# Allegro board 8880F5-0823__zarif.brd (continued)
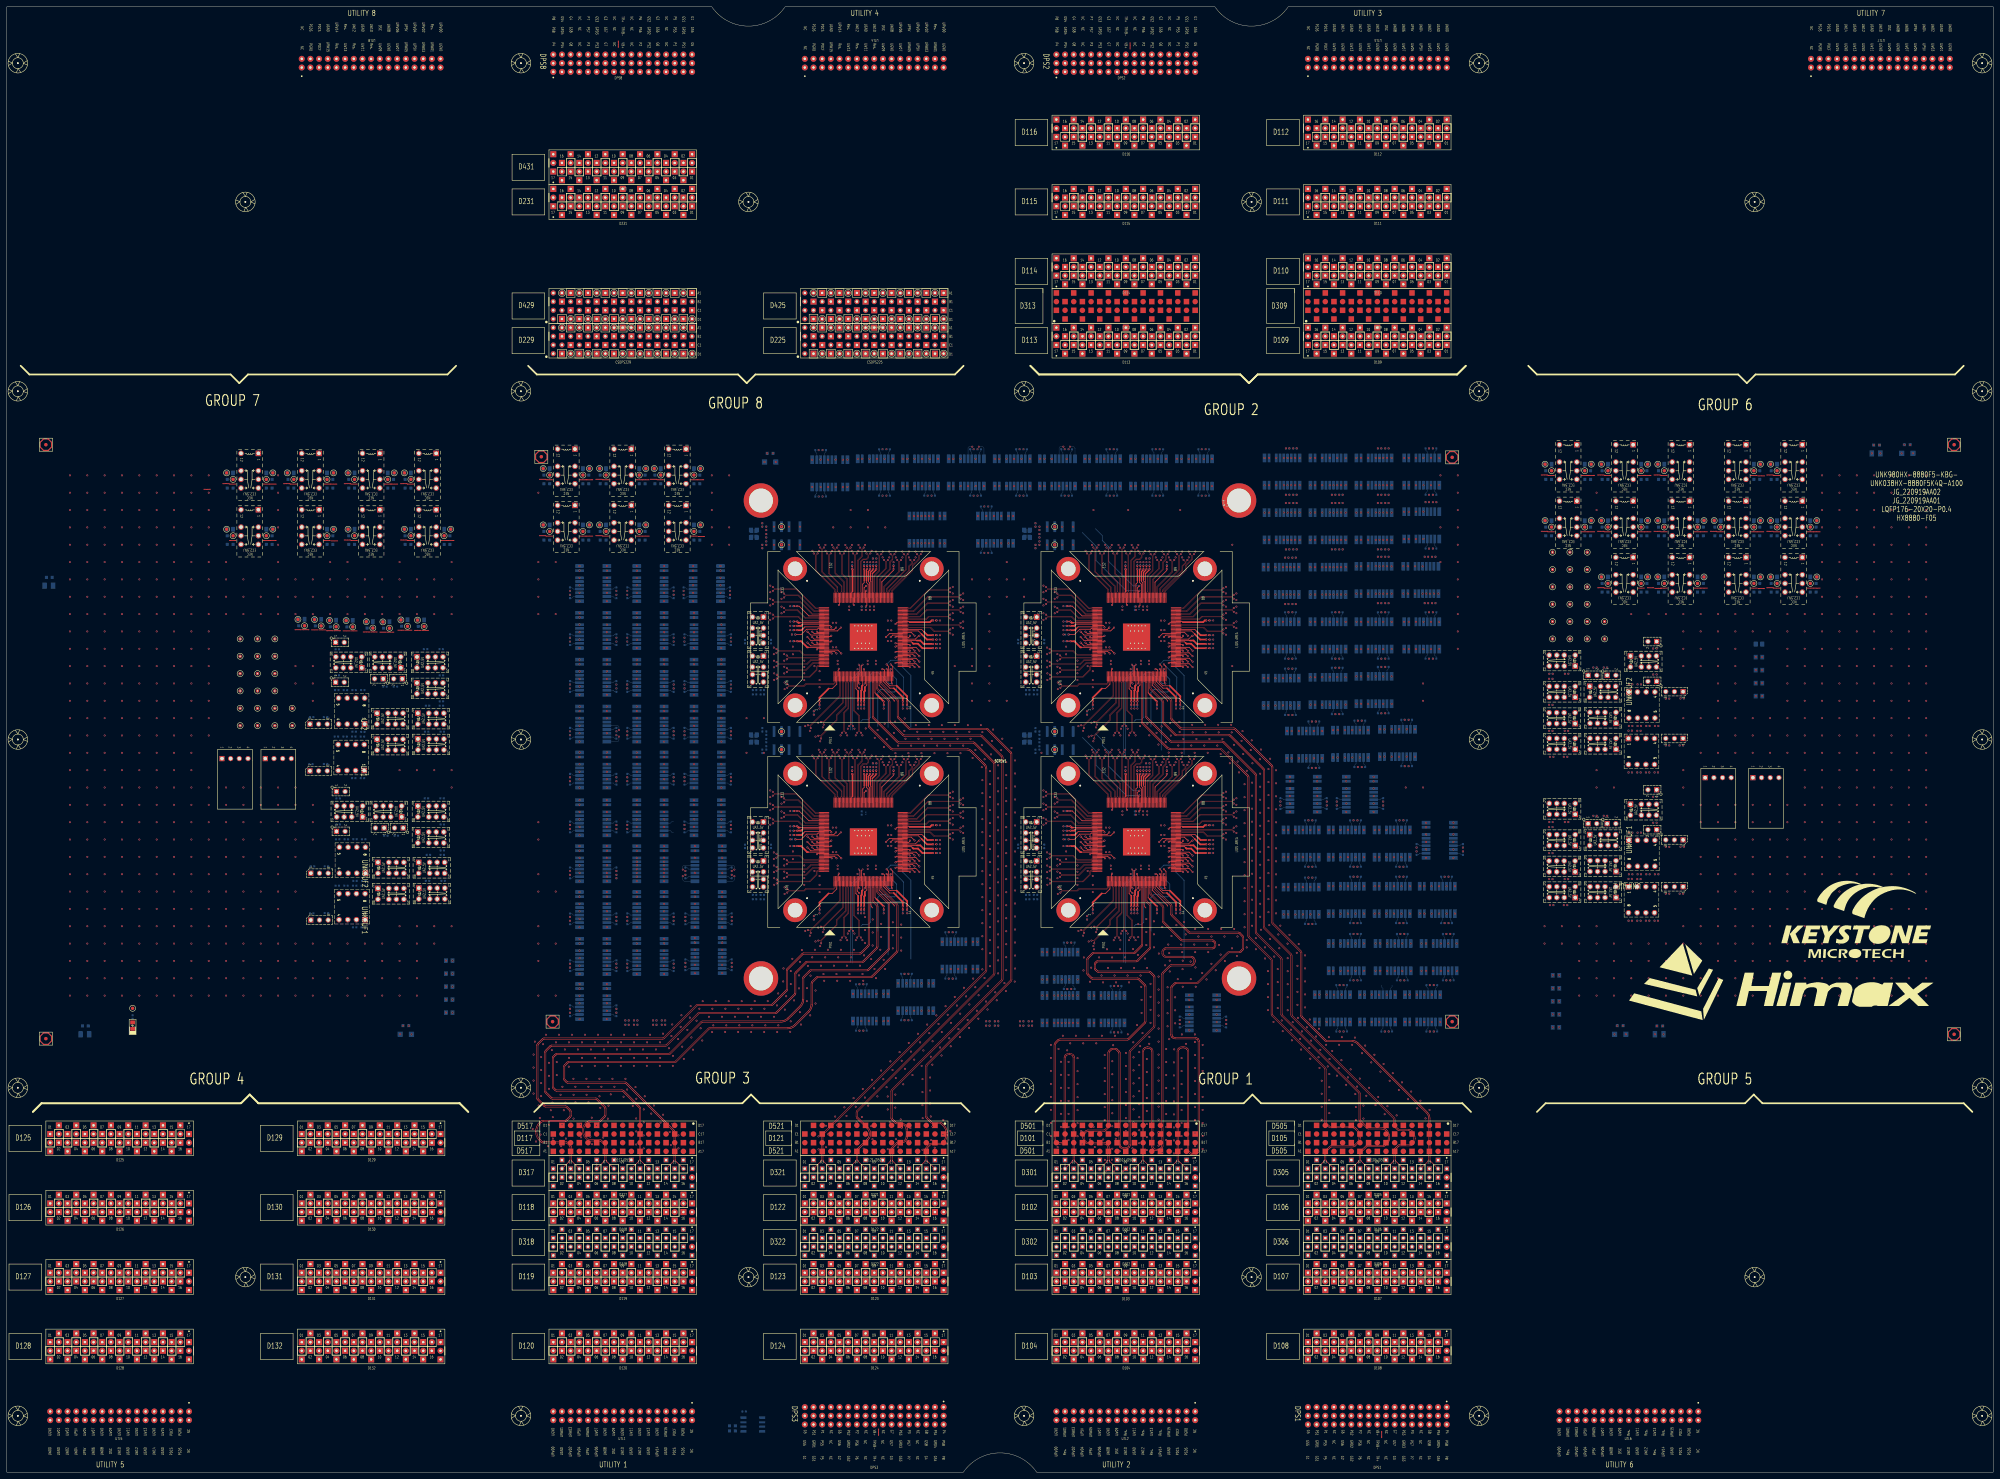
[diagram p0: board, top side]
## Routing (per net, layer and track width the routed paths; a pad name or vN(x,y) marks a point on that pad's centre or on a via; arc(x,y) is an arc through that point) (continued)
  L07_SIGNAL w0.071: 160.31,264.65 223.35,264.65 236.1,277.39 253.2,277.39 257.41,281.61 267.35,281.61 270.31,284.57 270.31,286 270.38,286.07 v2(270.78,286.07)
  L30_SIGNAL w0.071: v2(270.78,286.07) 270.32,286.53 270.32,287.66 269.9,288.08 261.92,288.08 250.26,276.43 250.26,271.34 v1(249.79,270.87)
S1_3TX_100DCH003+: length 236.3
  TOP w0.086: SITE1.116 248.63,257.78 248.55,257.86 248.55,268.77 v1(248.93,269.15)
  L07_SIGNAL w0.071: 159.1,247.05 194.36,247.05 207.85,260.53 226.78,260.53 231.56,255.76 270.7,255.76 275.2,260.25 277.98,260.25 278.86,259.37 282.25,259.37 286.91,264.03 286.91,269.23 286.98,269.3 v2(287.38,269.3)
  L30_SIGNAL w0.071: v2(287.38,269.3) 286.91,268.83 286.91,266.57 286.38,266.04 283.04,266.04 281.66,267.43 281.66,277.43 274.45,284.65 274.45,289.89 273.06,291.27 257.77,291.27 255.67,289.18 255.67,282.79 248.46,275.58 248.46,269.62 v1(248.93,269.15)
S1_3TX_100DCH003-: length 236
  TOP w0.086: SITE1.117 248.23,257.78 248.31,257.86 248.31,268.63 v1(247.79,269.15)
  L07_SIGNAL w0.071: v2(286.24,269.3) 286.64,269.3 286.71,269.23 286.71,264.11 282.17,259.57 278.94,259.57 278.06,260.45 275.11,260.45 270.62,255.96 231.64,255.96 226.87,260.73 207.77,260.73 194.28,247.25 159.1,247.25
  L30_SIGNAL w0.071: v2(286.24,269.3) 286.71,268.83 286.71,266.65 286.3,266.24 283.13,266.24 281.86,267.51 281.86,277.52 274.64,284.73 274.64,289.97 273.14,291.47 257.68,291.47 255.47,289.26 255.47,282.87 248.26,275.66 248.26,269.62 v1(247.79,269.15)
S1_3TX_100DCH004+: length 231.9
  TOP w0.086: v1(247.07,270.87) 246.61,270.41 246.61,262.62 246.95,262.28 246.95,257.86 247.03,257.78 SITE1.120
  L07_SIGNAL w0.071: v2(287.38,282.89) 286.98,282.89 286.91,282.96 286.91,302.23 281.38,307.76 158.71,307.76
  L30_SIGNAL w0.071: v2(287.38,282.89) 286.91,282.42 286.91,281.8 286.26,281.15 282.47,281.15 280.31,283.31 280.31,290.31 277.98,292.64 257.05,292.64 253.78,289.37 253.78,282.32 246.6,275.14 246.6,271.34 v1(247.07,270.87)
S1_3TX_100DCH004-: length 231.6
  TOP w0.086: SITE1.121 246.63,257.78 246.71,257.86 246.71,262.19 246.38,262.52 246.38,270.42 v1(245.93,270.87)
  L07_SIGNAL w0.071: 158.71,307.56 281.3,307.56 286.71,302.15 286.71,282.96 286.64,282.89 v2(286.24,282.89)
  L30_SIGNAL w0.071: v2(286.24,282.89) 286.71,282.42 286.71,281.88 286.18,281.35 282.55,281.35 280.5,283.39 280.5,290.39 278.06,292.84 256.96,292.84 253.58,289.46 253.58,282.41 246.4,275.23 246.4,271.34 v1(245.93,270.87)
S1_3TX_100DCH005+: length 120.7
  TOP w0.086: SITE1.122 246.23,257.78 246.15,257.86 246.15,261.71 244.69,263.17 244.69,268.7 v1(245.14,269.15)
  L07_SIGNAL w0.071: v2(238.87,285.81) 238.47,285.81 238.4,285.74 238.4,284.22 221.46,267.28 160.24,267.28
  L30_SIGNAL w0.071: v2(238.87,285.81) 238.4,285.34 238.4,282.59 244.67,276.31 244.67,269.62 v1(245.14,269.15)
S1_3TX_100DCH005-: length 120.4
  TOP w0.086: SITE1.123 245.83,257.78 245.91,257.86 245.91,261.61 244.46,263.07 244.46,268.69 v1(244,269.15)
  L07_SIGNAL w0.071: 160.24,267.48 221.37,267.48 238.2,284.3 238.2,285.74 238.13,285.81 v2(237.72,285.81)
  L30_SIGNAL w0.071: v1(244,269.15) 244.47,269.62 244.47,276.23 238.2,282.5 238.2,285.34 v2(237.72,285.81)
S1_3TX_100DCH006+: length 149
  TOP w0.086: v1(243.16,270.88) 242.73,270.45 242.73,263.37 245.35,260.75 245.35,257.86 245.43,257.78 SITE1.124
  L07_SIGNAL w0.071: v2(238.87,299.4) 238.47,299.4 238.4,299.33 238.4,297.57 234.29,293.47 205.64,293.47 196.06,283.9 196.06,271.92 194.09,269.95 160.29,269.95
  L30_SIGNAL w0.071: v1(243.16,270.88) 242.69,271.35 242.69,274.26 234.18,282.76 234.18,293.5 238.4,297.72 238.4,298.94 v2(238.87,299.4)
S1_3TX_100DCH006-: length 148.7
  TOP w0.086: v1(242.02,270.88) 242.49,270.41 242.49,263.28 245.11,260.65 245.11,257.86 245.03,257.78 SITE1.125
  L07_SIGNAL w0.071: v2(237.72,299.4) 238.13,299.4 238.2,299.33 238.2,297.66 234.21,293.67 205.56,293.67 195.87,283.98 195.87,272.01 194,270.14 160.29,270.14
  L30_SIGNAL w0.071: v2(237.72,299.4) 238.21,298.92 238.21,297.8 233.98,293.58 233.98,282.68 242.49,274.17 242.49,271.35 v1(242.02,270.88)
S1_3TX_100DCH007+: length 191.6
  TOP w0.086: SITE1.126 244.63,257.78 244.55,257.86 244.55,259.62 240.83,263.34 240.83,268.7 v1(241.28,269.15)
  L07_SIGNAL w0.071: 160.44,268.81 194.29,268.81 196.78,271.3 196.78,283.38 202.68,289.28 209.95,289.28 212.89,292.23 251.13,292.23 256.9,298 256.9,299.58 256.83,299.66 v2(256.43,299.66)
  L30_SIGNAL w0.071: v1(241.28,269.15) 240.81,269.62 240.81,273.28 232.76,281.33 232.76,297.38 236.7,301.32 256.46,301.32 256.9,300.88 256.9,300.12 v2(256.43,299.66)
S1_3TX_100DCH007-: length 192.6
  TOP w0.086: v1(240.14,269.15) 240.59,268.7 240.59,263.24 244.31,259.52 244.31,257.86 244.23,257.78 SITE1.127
  L07_SIGNAL w0.071: v2(257.58,299.66) 257.17,299.66 257.1,299.58 257.1,297.92 251.22,292.03 212.98,292.03 210.03,289.08 202.76,289.08 196.98,283.3 196.98,271.22 194.37,268.61 160.44,268.61
  L30_SIGNAL w0.071: v2(257.58,299.66) 257.1,300.13 257.1,300.96 256.54,301.52 236.62,301.52 232.56,297.46 232.56,281.25 240.61,273.2 240.61,269.62 v1(240.14,269.15)
S1_4TX_100DCH001+: length 161.2
  TOP w0.086: SITE1.129 243.43,257.78 243.35,257.86 243.35,259.29 238.85,263.79 238.85,270.43 v1(239.3,270.88)
  L05_SIGNAL w0.071: v2(256.43,286.07) 256.83,286.07 256.9,286 256.9,283.34 252.73,279.17 235.32,279.17 222.57,266.42 163.4,266.42 162.59,265.62 160.26,265.62
  L32_SIGNAL w0.071: v2(256.43,286.07) 256.9,286.54 256.9,287.86 253.94,290.83 246.09,290.83 238.83,283.57 238.83,271.35 v1(239.3,270.88)
S1_4TX_100DCH001-: length 162.2
  TOP w0.086: SITE1.130 243.03,257.78 243.11,257.86 243.11,259.19 238.61,263.69 238.61,270.43 v1(238.16,270.88)
  L05_SIGNAL w0.071: 160.26,265.42 162.68,265.42 163.48,266.23 222.65,266.23 235.4,278.97 252.82,278.97 257.1,283.26 257.1,286 257.17,286.07 v2(257.58,286.07)
  L32_SIGNAL w0.071: v1(238.16,270.88) 238.63,271.35 238.63,283.65 246.01,291.03 254.02,291.03 257.1,287.94 257.1,286.54 v2(257.58,286.07)
S1_4TX_100DCH002+: length 226.8
  TOP w0.086: SITE1.131 242.63,257.78 242.55,257.86 242.55,258.66 236.97,264.24 236.97,268.69 v1(237.43,269.15)
  L05_SIGNAL w0.071: 158.71,302.91 281.96,302.91 283.57,301.3 283.57,299.73 283.5,299.66 v2(283.1,299.66)
  L32_SIGNAL w0.071: v1(237.43,269.15) 236.95,269.62 236.95,299.6 241.86,304.51 282.4,304.51 283.57,303.34 283.57,300.13 v2(283.1,299.66)
S1_4TX_100DCH002-: length 227.8
  TOP w0.086: SITE1.132 242.23,257.78 242.31,257.86 242.31,258.56 236.73,264.14 236.73,268.71 v1(236.28,269.15)
  L05_SIGNAL w0.071: v2(284.25,299.66) 283.84,299.66 283.77,299.73 283.77,301.38 282.05,303.11 158.71,303.11
  L32_SIGNAL w0.071: v1(236.28,269.15) 236.75,269.62 236.75,299.69 241.78,304.71 282.48,304.71 283.77,303.42 283.77,300.13 v2(284.25,299.66)
S1_4TX_100DCH003+: length 281
  TOP w0.086: SITE1.133 237.68,253.23 237.6,253.15 236.94,253.15 231.22,258.87 224.75,258.87 v1(224.31,259.31)
  L05_SIGNAL w0.071: 158.71,301.82 277.51,301.82 281.83,297.5 281.83,289.42 283.57,287.67 283.57,286.14 283.5,286.07 v2(283.1,286.07)
  L32_SIGNAL w0.071: v1(224.31,259.31) 224.78,258.84 225.35,258.84 226.06,259.55 226.06,278.35 233.56,285.84 233.56,299.18 242.01,307.63 281.65,307.63 287.09,302.2 287.09,286.11 285.47,284.5 284.21,284.5 283.57,285.13 283.57,285.6 v2(283.1,286.07)
S1_4TX_100DCH003-: length 280.4
  TOP w0.086: SITE1.134 237.68,252.83 237.6,252.91 236.84,252.91 231.12,258.63 224.77,258.63 v1(224.31,258.17)
  L05_SIGNAL w0.071: 158.71,302.02 277.59,302.02 282.02,297.58 282.02,289.5 283.77,287.75 283.77,286.14 283.84,286.07 v2(284.25,286.07)
  L32_SIGNAL w0.071: v1(224.31,258.17) 224.78,258.64 225.43,258.64 226.26,259.47 226.26,278.27 233.75,285.76 233.75,299.09 242.1,307.44 281.57,307.44 286.89,302.12 286.89,286.19 285.39,284.7 284.29,284.7 283.77,285.21 283.77,285.6 v2(284.25,286.07)
S1_4TX_100DCH004+: length 96.7
  TOP w0.086: SITE1.135 237.68,252.43 237.6,252.35 236.46,252.35 231.86,256.95 228.04,256.95 v1(227.6,257.38)
  L05_SIGNAL w0.071: v2(178.5,258.17) 178.5,257.77 178.43,257.7 177.36,257.7 175.81,256.15 160.61,256.15
  L32_SIGNAL w0.071: v2(178.5,258.17) 178.97,257.7 179.32,257.7 179.59,257.97 179.59,263.64 184.32,268.37 211.52,268.37 214.25,265.64 214.25,262.45 219.79,256.91 227.13,256.91 v1(227.6,257.38)
S1_4TX_100DCH004-: length 96.7
  TOP w0.086: SITE1.136 237.68,252.03 237.6,252.11 236.36,252.11 231.76,256.71 228.07,256.71 v1(227.6,256.24)
  L05_SIGNAL w0.071: v2(178.5,257.03) 178.5,257.43 178.43,257.5 177.44,257.5 175.89,255.96 160.61,255.96
  L32_SIGNAL w0.071: v2(178.5,257.03) 178.97,257.5 179.4,257.5 179.79,257.89 179.79,263.55 184.41,268.17 211.44,268.17 214.05,265.56 214.05,262.37 219.71,256.71 227.13,256.71 v1(227.6,256.24)
S1_4TX_100DCH005+: length 90.1
  TOP w0.086: SITE1.137 237.68,251.63 237.6,251.55 235.88,251.55 232.43,255.01 224.75,255.01 v1(224.31,255.45)
  L05_SIGNAL w0.071: 160.36,257.7 164.84,257.7 164.91,257.77 v2(164.91,258.17)
  L32_SIGNAL w0.071: v1(224.31,255.45) 223.83,254.98 218.62,254.98 210.5,263.1 183.15,263.1 180.68,260.62 180.68,257.87 178.81,256 168.1,256 166.4,257.7 165.38,257.7 v2(164.91,258.17)
S1_4TX_100DCH005-: length 90.1
  TOP w0.086: v1(224.31,254.31) 224.76,254.77 232.33,254.77 235.78,251.31 237.6,251.31 237.68,251.23 SITE1.138
  L05_SIGNAL w0.071: 160.36,257.5 164.84,257.5 164.91,257.43 v2(164.91,257.03)
  L32_SIGNAL w0.071: v2(164.91,257.03) 165.38,257.5 166.32,257.5 168.02,255.8 178.9,255.8 180.88,257.78 180.88,260.54 183.23,262.9 210.42,262.9 218.54,254.78 223.83,254.78 v1(224.31,254.31)
S1_4TX_100DCH006+: length 84.8
  TOP w0.086: SITE1.140 237.68,250.43 237.6,250.35 233.88,250.35 231.52,252.7 228.04,252.7 v1(227.6,253.14)
  L05_SIGNAL w0.071: 160.57,253.03 188.7,253.03 193.37,257.7 195.19,257.7 195.26,257.77 v2(195.26,258.17)
  L32_SIGNAL w0.071: v1(227.6,253.14) 227.13,252.67 201.84,252.67 196.81,257.7 195.73,257.7 v2(195.26,258.17)
S1_4TX_100DCH006-: length 84.8
  TOP w0.086: SITE1.141 237.68,250.03 237.6,250.11 233.78,250.11 231.43,252.46 228.06,252.46 v1(227.6,252)
  L05_SIGNAL w0.071: v1(195.26,257.03) 195.26,257.43 195.19,257.5 193.45,257.5 188.78,252.83 160.57,252.83
  L32_SIGNAL w0.071: v1(195.26,257.03) 195.73,257.5 196.73,257.5 201.76,252.47 227.13,252.47 v1(227.6,252)
S1_4TX_100DCH007+: length 86.6
  TOP w0.086: SITE1.142 237.68,249.63 237.6,249.55 233.04,249.55 231.83,250.76 224.76,250.76 v1(224.31,251.21)
  L05_SIGNAL w0.071: v2(181.67,258.17) 181.67,257.77 181.6,257.7 180.69,257.7 177.22,254.22 160.64,254.22
  L32_SIGNAL w0.071: v2(181.67,258.17) 182.15,257.7 183.36,257.7 191.59,249.47 210.34,249.47 212.79,251.92 222.19,251.92 223.37,250.74 223.83,250.74 v1(224.31,251.21)
S1_4TX_100DCH007-: length 86.6
  TOP w0.086: SITE1.143 237.68,249.23 237.6,249.31 232.94,249.31 231.73,250.52 224.76,250.52 v1(224.31,250.07)
  L05_SIGNAL w0.071: 160.64,254.03 177.3,254.03 180.78,257.5 181.6,257.5 181.67,257.43 v2(181.67,257.03)
  L32_SIGNAL w0.071: v2(181.67,257.03) 182.15,257.5 183.28,257.5 191.51,249.27 210.42,249.27 212.87,251.72 222.11,251.72 223.29,250.54 223.83,250.54 v1(224.31,250.07)
S1_AUX_100DCH002+:
  vias: v1(183.65,132.33)
S1_AUX_100DCH002-:
  vias: v1(181.11,132.33)
S1_AUXCH+: length 24
  TOP w0.203: SITE1.21 250.23,236.2 v2(250.6,236.57)
  BOTTOM w0.203: v2(250.6,236.57) 250.3,236.28 250.3,234.52 247.57,231.79 247.57,217.42
S1_AUXCH-: length 24
  TOP w0.203: v2(249.46,236.57) 249.83,236.2 SITE1.20
  BOTTOM w0.203: v2(249.46,236.57) 249.76,236.28 249.76,234.75 247.03,232.02 247.03,217.42
S1_AVDD11_RX: length 8.4
  TOP w0.231: 254.67,227.85 254.23,228.29 SITE1.31
  TOP w0.508: v1(256.77,225.75) 254.67,227.85
  vias: v1(256.77,223.71)
S1_AVDD11_XTAL: length 8.8
  TOP w0.231: 252.87,261.45 252.87,261.11 253.03,260.95 SITE1.105
  TOP w0.381: 252.87,261.45 252.87,263.59 253.72,264.44 v1(253.72,264.54)
  vias: v1(253.72,266.58)
S1_AVDD18_RX: length 7.7
  TOP w0.231: 251.28,230.01 251.83,230.56 SITE1.25
  TOP w0.508: 251.28,230.01 251.28,228.9 251.06,228.68 v1(251.06,225.75)
  vias: v1(251.06,223.71)
S1_DCH041: length 2.2
  TOP w0.231: SITE1.159 237.43,242.83 v1(237.23,243.03)
S1_DCH042: length 3.7
  TOP w0.231: SITE1.160 236.43,242.43 v1(235.83,243.03)
S1_DCH043: length 5.3
  TOP w0.231: v1(234.44,243.03) 235.44,242.03 SITE1.161
S1_DCH044: length 2.2
  TOP w0.231: SITE1.163 237.43,241.23 v1(237.23,241.03)
S1_DCH045: length 5.4
  TOP w0.231: SITE1.164 243.35,240.83 v1(244.35,239.83)
S1_DCH046: length 3.9
  TOP w0.231: SITE1.165 242.35,240.43 v1(242.95,239.83)
S1_DCH047: length 2.3
  TOP w0.231: SITE1.166 241.36,240.03 v1(241.56,239.83)
S1_DCH048:
  vias: v1(229.05,276.97)
S1_DCH049:
  vias: v1(229.05,271.67)
S1_DPS_F_001:
  vias: v1(182.11,131.06)
S1_DPS_F_002: length 10.1
  TOP w0.119: v1(237.98,223.71) 237.98,223.75
  TOP w0.231: SITE1.3 243.03,230.86 241.72,229.55 240.65,229.55
  TOP w0.508: 240.65,229.55 237.98,226.88 v1(237.98,225.75)
  vias: v1(236.32,222.9)
S1_DPS_F_003: length 63.1
  TOP w0.231: 232.83,248.18 233.08,248.43 SITE1.145 ; SITE1.63 264.9,243.23 265.2,242.93 ; SITE1.37 256.63,231.59 258.57,229.66 259.73,229.66 ; SITE1.107 252.23,260.11 251.69,260.65 251.69,261.16 ; 234.63,241.63 SITE1.162 ; 267.84,245.53 266.94,246.43 SITE1.71 ; SITE1.17 248.63,229.5 249.28,228.85
  TOP w0.381: v1(251.94,264.54) 251.69,264.28 251.69,261.16
  TOP w0.508: v1(231.44,247.93) 232.58,247.93 232.83,248.18 ; v1(271.22,243.91) 269.46,243.91 267.84,245.53 ; 234.63,241.63 234.37,241.63 232.59,243.41 v1(231.44,243.41) ; 259.73,229.66 262.36,227.02 v1(262.36,225.75) ; 265.2,242.93 265.45,242.67 266.8,242.67 268.11,241.37 v1(271.22,241.37) ; v1(249.28,225.75) 249.28,228.85
  vias: v1(229.4,247.93) v1(229.4,243.41) v1(249.28,223.71) v1(251.54,252.59) v1(251.94,266.58) v1(262.36,223.71) v1(273.27,243.91) v1(273.27,241.37)
S1_DPS_F_006: length 9.8
  TOP w0.231: 268.55,246.19 267.92,246.83 SITE1.72
  TOP w0.508: 268.55,246.19 269.56,245.18 v1(271.22,245.18)
  BOTTOM w0.119: CC40.1 v1(259,246.67)
  vias: v1(273.27,245.18)
S1_DPS_F_007: length 19.2
  TOP w0.231: SITE1.78 264.15,249.23 264.37,249.01
  TOP w0.254: SITE1.97 256.23,260.8 259.65,264.22 v1(259.65,264.54) CD11.1
  TOP w0.508: v1(271.22,249.5) 270.8,249.5 270.31,249.01 264.37,249.01
  BOTTOM w0.119: CC27.1 v1(273.27,249.5)
  vias: v1(259.65,266.58)
S1_DPS_F_009: length 8.8
  TOP w0.231: 252.26,261.12 252.26,260.9 252.63,260.53 SITE1.106
  TOP w0.381: 252.26,261.12 252.26,263.82 252.83,264.39 v1(252.83,264.54)
  vias: v1(252.83,266.58) v1(253.61,267.66)
S1_DPS_F_010: length 8.6
  TOP w0.231: SITE1.111 250.63,260.15 251.05,260.57 251.05,261.13
  TOP w0.381: 251.05,261.13 v1(251.05,264.54)
  vias: v1(250.34,253.59) v1(251.05,266.58)
S1_DPS_F_011: length 17.6
  TOP w0.231: SITE1.119 247.43,257.79 247.64,258.01 ; v1(231.44,253.69) 232.01,253.69 234.87,250.83 SITE1.139
  TOP w0.508: 247.64,258.01 247.64,264.47 v1(247.57,264.54)
  vias: v1(229.4,253.69) v1(247.57,266.58)
S1_DPS_F_012: length 8
  TOP w0.231: 232.2,248.83 SITE1.144
  TOP w0.508: 232.2,248.83 231.81,248.83 v1(231.44,249.2)
  vias: v1(229.4,249.2)
S1_ISP00+: length 14.6
  TOP w0.086: SITE1.73 263.98,247.23 264.06,247.31 270.41,247.31 271.56,246.16 275.81,246.16 v1(276.24,245.73)
  vias: v1(270.04,280.1)
S1_ISP00-: length 14.6
  TOP w0.086: v1(276.24,246.87) 275.77,246.4 271.66,246.4 270.51,247.55 264.06,247.55 263.98,247.63 SITE1.74
  vias: v1(270.04,272.1)
S1_ISP14+: length 71.8
  TOP w0.086: SITE1.112 250.23,257.78 250.15,257.86 250.15,266.68 250.73,267.26 251.76,267.26 252.42,267.92 252.42,268.71 v1(252.86,269.15)
  L28_SIGNAL w0.071: v1(265.64,280.1) 265.64,276.46 265.91,276.2 276.99,276.2 279.33,278.54 279.33,280.48 277.73,282.08 259.25,282.08 252.39,275.23 252.39,269.62 v1(252.86,269.15)
S1_ISP14-: length 72.8
  TOP w0.086: v1(251.72,269.15) 252.18,268.69 252.18,268.02 251.66,267.5 250.63,267.5 249.91,266.78 249.91,257.86 249.83,257.78 SITE1.113
  L28_SIGNAL w0.071: v1(251.72,269.15) 252.19,269.62 252.19,275.31 259.16,282.28 277.81,282.28 279.53,280.56 279.53,278.46 277.07,276 265.91,276 265.64,275.73 v1(265.64,272.1)
S1_ISP_1LOCK:
  vias: v1(229.91,245.39)
S1_M_DPS_F_001: length 45.2
  TOP w0.231: SITE1.39 257.43,231.49 258.54,230.37 260.57,230.37 ; SITE1.147 233.7,247.63 233.24,247.18 ; SITE1.104 253.43,263.21 ; 266.49,243.63 SITE1.64 ; 250.63,230.54 SITE1.22
  TOP w0.381: v1(254.61,264.54) 254.61,264.39 253.43,263.21
  TOP w0.508: v1(250.17,225.75) 250.17,228.96 250.38,229.17 250.38,230.28 250.63,230.54 ; 260.57,230.37 263.63,227.31 v1(263.63,225.75) ; v1(271.22,242.64) 268.48,242.64 267.49,243.63 266.49,243.63 ; v1(231.44,246.66) 232.72,246.66 233.24,247.18
  vias: v1(229.4,246.66) v1(250.17,223.71) v1(254.61,266.58) v1(263.63,223.71) v1(273.27,242.64)
S1_PS9G_DCH001: length 3.7
  TOP w0.231: SITE1.18 249.03,230.23 v1(249.63,229.63)
S1_PS9G_DCH002: length 2.2
  TOP w0.231: v1(249.63,231.03) 249.43,231.23 SITE1.19
S1_PS9G_DCH003: length 2.2
  TOP w0.231: v1(251.23,231.03) 251.43,231.23 SITE1.24
S1_PS9G_DCH004: length 2.2
  TOP w0.231: v1(257.63,235.23) 257.83,235.03 SITE1.40
S1_PS9G_DCH005: length 2.2
  TOP w0.231: SITE1.45 264.23,236.03 v1(264.43,235.83)
S1_PS9G_DCH006: length 3.7
  TOP w0.231: v1(265.83,235.83) 265.23,236.43 SITE1.46
S1_PS9G_DCH007: length 5.3
  TOP w0.231: v1(267.23,235.83) 266.22,236.83 SITE1.47
S1_PS9G_DCH009: length 2.2
  TOP w0.231: SITE1.49 264.23,237.63 v1(264.43,237.43)
S1_PS9G_DCH010: length 3.7
  TOP w0.231: v1(265.83,237.43) 265.23,238.03 SITE1.50
S1_PS9G_DCH011: length 5.3
  TOP w0.231: v1(267.23,237.43) 266.22,238.43 SITE1.51
S1_PS9G_DCH014: length 3.7
  TOP w0.231: v1(265.83,239.03) 265.23,239.63 SITE1.54
S1_PS9G_DCH015: length 5.3
  TOP w0.231: v1(267.23,239.03) 266.22,240.03 SITE1.55
S1_PS9G_DCH022: length 5.3
  TOP w0.231: SITE1.65 266.05,244.03 267.05,245.03 v1(267.23,245.03)
S1_PS9G_DCH023: length 2.5
  TOP w0.231: v1(264.43,245.03) 264.43,244.83 264.03,244.43 SITE1.66
S1_PS9G_DCH027: length 3.9
  TOP w0.231: v1(265.83,245.03) 264.83,246.03 SITE1.70
S1_PS9G_DCH028: length 2.3
  TOP w0.231: SITE1.77 260.6,248.83 v1(260.23,248.46)
S1_PS9G_DCH029: length 2.2
  TOP w0.231: v1(248.03,254.03) 247.83,254.23 SITE1.118
S1_PS9G_DCH030: length 9.2
  TOP w0.231: v1(230.91,245.39) 232.63,245.39 234.16,246.91 237.3,246.91 237.62,247.23 SITE1.148
S1_PS9G_DCH035: length 5.3
  TOP w0.231: SITE1.153 235.44,245.23 v1(234.44,246.23)
S1_PS9G_DCH036: length 2.2
  TOP w0.231: SITE1.154 241.23,244.83 v1(241.43,245.03)
S1_PS9G_DCH037: length 2.2
  TOP w0.231: v1(237.23,244.63) 237.43,244.43 SITE1.155
S1_PS9G_DCH038: length 3.7
  TOP w0.231: v1(235.83,244.63) 236.43,244.03 SITE1.156
S1_PS9G_DCH039: length 5.3
  TOP w0.231: v1(234.44,244.63) 235.44,243.63 SITE1.157
S1_PS9G_DCH040: length 2.2
  TOP w0.231: SITE1.158 241.23,243.23 v1(241.43,243.43)
S1_RLY_001:
  vias: v1(167.7,222.95) v1(201.23,236.67)
S1_RLY_003:
  vias: v1(290.64,288.86) v1(303.84,288.86)
S1_RLY_005:
  vias: v1(330.51,288.86) v1(343.98,288.86)
S1_RLY_007:
  vias: v1(317.05,288.86)
S1_RLY_008:
  vias: v1(263.71,288.86) v1(293.31,280.1)
S1_RLY_016:
  vias: v1(244.8,296.61) v1(250.5,288.86)
S1_RLY_018:
  vias: v1(232.25,276.97)
S1_RLY_021:
  vias: v1(167.7,264.1) v1(277.17,288.86)
S1_RLY_022:
  vias: v1(167.7,236.67) v1(201.23,250.38)
S1_RLY_023:
  vias: v1(184.47,236.67)
S1_RLY_025:
  vias: v1(167.7,250.38) v1(200.98,264.1)
S1_RLY_026:
  vias: v1(184.47,250.38)
S1_RLY_030:
  vias: v1(184.47,264.1)
S1_RLY_043:
  vias: v1(273.24,280.1)
S1_SCAN_DCH008: length 2.2
  TOP w0.231: SITE1.48 260.43,237.23 v1(260.23,237.03)
S1_SCAN_DCH012: length 2.2
  TOP w0.231: SITE1.52 260.43,238.83 v1(260.23,238.63)
S1_SCAN_DCH013: length 2.2
  TOP w0.231: v1(264.43,239.03) 264.23,239.23 SITE1.53
S1_SCAN_DCH016: length 2.2
  TOP w0.231: SITE1.56 260.43,240.43 v1(260.23,240.23)
S1_SCAN_DCH017: length 2.2
  TOP w0.231: SITE1.57 264.23,240.83 v1(264.43,240.63)
S1_SCAN_DCH018: length 3.7
  TOP w0.231: SITE1.58 265.23,241.23 v1(265.83,240.63)
S1_SCAN_DCH019: length 5.3
  TOP w0.231: SITE1.59 266.22,241.63 v1(267.23,240.63)
S1_SCAN_DCH020: length 2.2
  TOP w0.231: SITE1.60 260.43,242.03 v1(260.23,241.83)
S1_SCAN_DCH021: length 2.2
  TOP w0.231: SITE1.61 264.23,242.43 v1(264.43,242.23)
S1_SCAN_DCH024: length 2.2
  TOP w0.231: v1(260.23,244.63) 260.43,244.83 SITE1.67
S1_SCAN_DCH025: length 3.7
  TOP w0.231: v1(258.83,244.63) 259.43,245.23 SITE1.68
S1_SCAN_DCH026: length 5.3
  TOP w0.231: v1(257.44,244.63) 258.44,245.63 SITE1.69
S1_SCAN_DCH031: length 3.7
  TOP w0.231: v1(242.83,247.43) 242.23,246.83 SITE1.149
S1_SCAN_DCH032: length 5.3
  TOP w0.231: v1(244.22,247.43) 243.22,246.43 SITE1.150
S1_SCAN_DCH033: length 2.2
  TOP w0.231: v1(237.23,246.23) 237.43,246.03 SITE1.151
S1_SCAN_DCH034: length 3.7
  TOP w0.231: SITE1.152 236.43,245.63 v1(235.83,246.23)
S1_SPI_CSN: length 25.9
  TOP w0.231: SITE1.43 259.03,231.23 v1(259.23,231.03)
  BOTTOM w0.231: v1(259.23,231.03) 258.4,231.03 255.17,234.25 253.58,234.25 252.91,233.59 252.91,221.11 252.25,220.44 250.61,220.44 250.11,219.95
S1_SPI_SCK: length 25.3
  TOP w0.231: SITE1.42 258.63,235.03 v1(258.83,235.23)
  BOTTOM w0.231: v1(258.83,235.23) 258.83,233.98 260.53,232.28 260.53,229.11 259.96,228.54 257.9,228.54 257.17,229.27 255.92,229.27 255.03,228.39 255.03,218.48
S1_SPI_SDI: length 27.5
  TOP w0.231: SITE1.44 259.43,236.03 v1(258.83,236.63)
  BOTTOM w0.231: v1(258.83,236.63) 262.6,232.86 262.6,227.63 262.04,227.06 258.85,227.06 258.07,226.28 258.07,218.19
S1_SPI_SDO: length 29.1
  TOP w0.231: v1(257.63,236.63) 258.23,236.03 SITE1.41
  BOTTOM w0.231: 264.72,218.19 264.72,233.4 262.29,235.83 262.29,237.04 261.5,237.83 258.83,237.83 v1(257.63,236.63)
S1_XTAL_IN: length 2.2
  TOP w0.231: v1(251.63,258.23) 251.43,258.03 SITE1.109
  vias: v1(226.85,271.67)
S1_XTAL_OUT: length 3.7
  TOP w0.231: SITE1.110 251.03,259.03 v1(251.63,259.63)
  vias: v1(226.85,276.97)
S2_1TX_100DCH001+: length 72.5
  L30_SIGNAL w0.071: v1(416.45,299.91) 416.92,299.44 416.92,298.08 406.32,287.48 406.32,267.89 405.38,266.95 385.23,266.95 383.77,265.49 383.77,262.03 384.78,261.01 388.2,261.01 388.49,260.72 v1(388.49,257.11)
S2_1TX_100DCH001-: length 72.2
  L30_SIGNAL w0.071: v1(388.49,265.11) 388.49,261.51 388.2,261.21 384.87,261.21 383.97,262.11 383.97,265.41 385.31,266.75 405.46,266.75 406.52,267.81 406.52,287.4 417.12,298 417.12,299.44 v1(417.6,299.91)
S2_1TX_100DCH002+: length 138.6
  TOP w0.086: SITE2.75 343.98,248.03 344.06,248.11 358.84,248.11 v1(359.29,247.66)
  L30_SIGNAL w0.071: v1(359.29,247.66) 359.76,248.13 378.79,248.13 381.08,250.42 381.08,273.68 382.86,275.46 392.91,275.46 397.59,280.14 397.59,298.46 399.94,300.81 417.91,300.81 418.69,300.03 418.69,297.05 416.08,294.44 416.08,288.02 416.93,287.18 416.93,286.8 v1(416.45,286.32)
S2_1TX_100DCH002-: length 138.9
  TOP w0.086: v1(359.29,248.8) 358.84,248.35 344.06,248.35 343.98,248.43 SITE2.76
  L30_SIGNAL w0.071: v1(417.6,286.32) 417.13,286.79 417.13,287.26 416.28,288.11 416.28,294.36 418.89,296.97 418.89,300.12 417.99,301.01 399.86,301.01 397.39,298.54 397.39,280.22 392.83,275.66 382.78,275.66 380.88,273.76 380.88,250.5 378.7,248.33 359.76,248.33 v1(359.29,248.8)
S2_1TX_100DCH003+: length 115.7
  TOP w0.086: SITE2.79 343.98,249.63 344.06,249.71 349.2,249.71 350.02,250.53 355.8,250.53 v1(356.24,250.09)
  L30_SIGNAL w0.071: v1(356.24,250.09) 356.72,250.56 357.26,250.56 358.26,249.56 358.26,247.11 359.3,246.08 391.43,246.08 393.68,248.34 393.68,253.77 395.96,256.05 405.87,256.05 407.85,258.02 407.85,267.46 412.42,272.04 414.8,272.04 418.3,275.54 418.3,278.59 420.13,280.43 420.13,284.6 419.17,285.57 417.3,285.57 416.92,285.2 416.92,284.63 v1(416.45,284.16)
S2_1TX_100DCH003-: length 114.8
  TOP w0.086: v1(356.24,251.23) 355.78,250.77 349.92,250.77 349.1,249.95 344.06,249.95 343.98,250.03 SITE2.80
  L30_SIGNAL w0.071: v1(356.24,251.23) 356.72,250.76 357.34,250.76 358.46,249.64 358.46,247.2 359.38,246.28 391.35,246.28 393.49,248.42 393.49,253.85 395.88,256.25 405.79,256.25 407.65,258.1 407.65,267.55 412.34,272.24 414.72,272.24 418.1,275.62 418.1,278.68 419.93,280.51 419.93,284.52 419.08,285.37 417.38,285.37 417.12,285.12 417.12,284.64 v1(417.6,284.16)
S2_1TX_100DCH004+: length 157.9
  TOP w0.086: SITE2.81 343.98,250.43 344.06,250.51 347.46,250.51 349.46,252.51 358.8,252.51 v1(359.29,252.02)
  L30_SIGNAL w0.071: v1(359.29,252.02) 359.76,252.49 362.88,252.49 365.18,250.2 378.1,250.2 380.29,252.39 380.29,275.75 381.78,277.24 390.42,277.24 393.74,280.56 393.74,297.85 397.33,301.44 418.5,301.44 421.9,298.04 421.9,276.91 416.92,271.94 416.92,271.05 v1(416.45,270.57)
S2_1TX_100DCH004-: length 158.2
  TOP w0.086: v1(359.29,253.16) 358.88,252.75 349.36,252.75 347.37,250.75 344.06,250.75 343.98,250.83 SITE2.82
  L30_SIGNAL w0.071: v1(359.29,253.16) 359.76,252.69 362.97,252.69 365.26,250.39 378.01,250.39 380.1,252.47 380.1,275.83 381.7,277.44 390.34,277.44 393.54,280.64 393.54,297.93 397.25,301.64 418.58,301.64 422.1,298.13 422.1,276.83 417.12,271.86 417.12,271.05 v1(417.6,270.57)
S2_1TX_100DCH005+: length 79.1
  TOP w0.086: SITE2.83 343.98,251.23 344.06,251.31 346.53,251.31 349.61,254.39 355.8,254.39 v1(356.24,253.95)
  L30_SIGNAL w0.071: v1(356.24,253.95) 355.77,254.42 355.47,254.42 355.12,254.06 355.12,245.25 357.18,243.18 395.75,243.18 402.95,250.38 402.95,251.43 v1(402.48,251.9)
